# KiCad board Batch 1.kicad_pcb (continued)
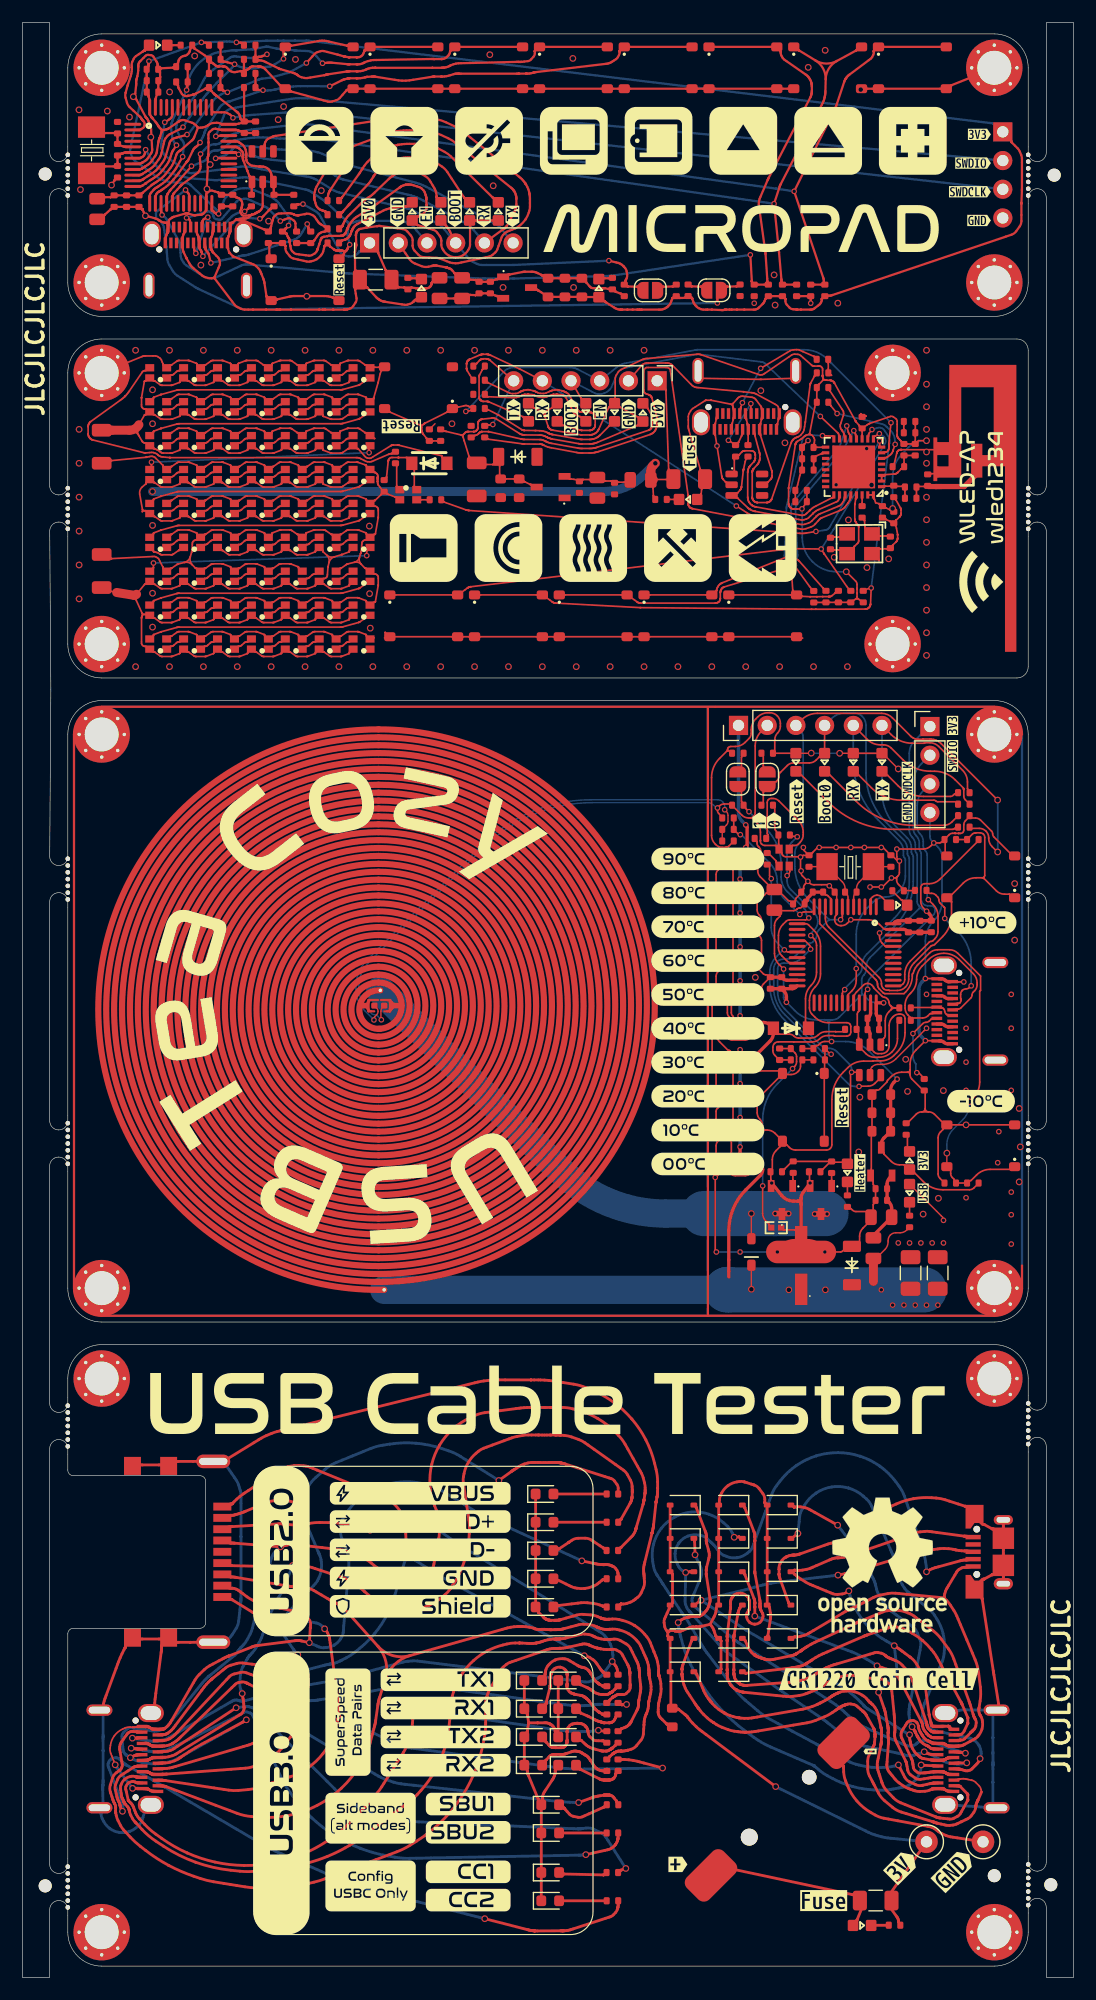
[diagram p0: board, top side]
## Routing (per net, layer and track width the routed paths; a pad name or vN(x,y) marks a point on that pad's centre or on a via; arc(x,y) is an arc through that point) (continued)
27.41,139.83 27.42,139.81 arc(27.42,139.8) 27.43,139.79 27.43,139.74 arc(27.43,139.7) 27.45,139.68 27.59,139.58 arc(27.75,139.52) 27.91,139.58 28.05,139.68 arc(28.08,139.69) 28.11,139.7 28.16,139.7 arc(28.16,139.7) 28.17,139.7 28.18,139.71 arc(28.18,139.71) 28.19,139.71 arc(28.19,139.71) 28.2,139.72 28.64,140.03 28.68,140.06 arc(28.71,140.07) 28.73,140.08 28.78,140.09 arc(28.8,140.1) 28.83,140.1 29.66,140.1 arc(29.68,140.1) 29.69,140.1 29.72,140.09 arc(29.74,140.09) 29.75,140.08 30.37,139.85 arc(30.38,139.85) 30.39,139.84 arc(30.4,139.84) 30.41,139.83 30.42,139.81 arc(30.42,139.8) 30.43,139.79 30.43,139.74 arc(30.43,139.7) 30.45,139.68 30.59,139.58 arc(30.75,139.52) 30.91,139.58 31.05,139.68 arc(31.07,139.7) 31.08,139.74 31.08,139.78 arc(31.08,139.78) 31.08,139.78 31.08,139.79 arc(31.08,139.79) 31.08,139.79 arc(31.08,139.8) 31.08,139.8 31.46,141.13 arc(31.46,141.14) 31.46,141.14 arc(31.47,141.15) 31.47,141.16 31.64,141.89 arc(31.73,142.13) 31.87,142.34 31.9,142.38 ; 30.91,130.58 arc(30.85,130.45) 30.91,130.33 ; 30.91,130.58 arc(30.75,130.52) 30.59,130.58 ; v2(69.1,100) 69.1,99.9 arc(69.12,99.8) 69.17,99.72 69.34,99.56 ; 75.49,69.48 75.49,69.09 ; 61.47,80.28 arc(61.5,80.29) 61.53,80.3 61.69,80.3 arc(61.72,80.31) 61.75,80.32 RGB69.3 ; 61.47,80.28 arc(61.44,80.27) 61.42,80.28 ; ESD2.2 62.23,132.33 arc(62.23,132.33) 62.23,132.33 arc(62.23,132.33) 62.23,132.33 62.22,132.33 arc(62.22,132.34) 62.22,132.34 62.01,132.57 arc(62,132.57) 62,132.58 arc(62,132.58) 61.99,132.59 61.98,132.6 arc(61.98,132.6) 61.98,132.61 61.93,132.68 arc(61.92,132.69) 61.92,132.7 61.9,132.73 arc(61.9,132.75) 61.9,132.76 61.89,132.81 arc(61.89,132.81) 61.89,132.81 61.88,132.83 arc(61.88,132.84) 61.88,132.84 arc(61.88,132.85) 61.88,132.86 v2(61.46,135.53) 61.3,136.47 arc(61.3,136.48) 61.3,136.49 arc(61.3,136.49) 61.3,136.5 61.3,136.51 arc(61.3,136.51) 61.3,136.52 61.3,136.56 arc(61.3,136.6) 61.29,136.64 61.26,136.8 arc(61.24,137) 61.26,137.2 61.29,137.36 arc(61.3,137.4) 61.3,137.44 61.3,137.48 arc(61.3,137.49) 61.3,137.5 61.3,137.52 arc(61.3,137.52) 61.31,137.53 arc(61.31,137.54) 61.31,137.55 61.4,137.9 arc(61.4,137.91) 61.4,137.91 arc(61.4,137.91) 61.4,137.91 61.4,137.92 arc(61.4,137.92) 61.4,137.92 61.4,137.96 arc(61.4,138) 61.41,138.04 J4.B1 ; C48.2 77.31,130.74 arc(77.31,130.73) 77.31,130.73 arc(77.31,130.73) 77.31,130.73 77.31,130.73 arc(77.31,130.73) 77.32,130.72 77.7,130.05 arc(77.71,130.03) 77.71,130.02 77.72,130 arc(77.72,129.99) 77.73,129.97 77.74,129.9 arc(77.74,129.89) 77.74,129.88 77.74,129.87 arc(77.75,129.86) 77.75,129.85 77.75,129.57 arc(77.75,129.56) 77.74,129.55 77.74,129.54 arc(77.74,129.53) 77.74,129.52 77.73,129.44 arc(77.72,129.43) 77.72,129.41 77.7,129.38 arc(77.7,129.37) 77.69,129.36 77.66,129.31 arc(77.65,129.3) 77.65,129.29 arc(77.64,129.28) 77.64,129.28 77.62,129.26 arc(77.62,129.26) 77.61,129.25 77.32,128.98 arc(77.32,128.97) 77.32,128.97 77.32,128.97 arc(77.32,128.97) 77.32,128.97 arc(77.32,128.97) 77.32,128.97 arc(77.31,128.96) 77.31,128.96 77.31,128.96 arc(77.31,128.96) 77.31,128.96 77.31,128.96 arc(77.31,128.96) 77.31,128.96 77.21,128.82 ; 7,118 6.49,119.86 arc(6.49,119.86) 6.49,119.87 6.49,119.87 ; 67.64,73.66 67.65,73.66 arc(67.65,73.66) 67.65,73.66 67.87,73.44 arc(68.11,73.28) 68.4,73.22 71.15,73.22 arc(71.33,73.26) 71.49,73.36 arc(71.59,73.52) 71.63,73.7 71.63,77.7 arc(71.88,79) 72.62,80.1 73.03,80.51 arc(73.67,80.94) 74.43,81.09 75.24,81.09 arc(75.25,81.09) 75.26,81.1 arc(75.27,81.11) 75.28,81.11 75.95,81.11 arc(76.58,81.24) 77.11,81.59 77.37,81.85 arc(77.91,82.66) 78.1,83.62 78.1,84.84 arc(78.07,85) 77.98,85.13 arc(77.85,85.22) 77.69,85.25 77.57,85.25 arc(77.3,85.2) 77.07,85.04 76.98,84.96 arc(76.77,84.63) 76.69,84.25 76.69,82.42 arc(76.64,82.17) 76.49,81.95 arc(76.28,81.8) 76.02,81.75 75.7,81.75 arc(75.52,81.79) 75.37,81.89 75.23,82.03 ; 14.84,125.72 arc(14.83,125.35) 15.01,125.02 ; 14.84,125.72 arc(14.65,125.4) 14.32,125.22 ; 78.71,96.18 78.26,96.18 ; 61.44,92.8 61.41,92.77 arc(61.38,92.73) 61.37,92.69 61.37,90.16 arc(61.4,90.02) 61.48,89.91 61.56,89.82 arc(61.59,89.81) 61.62,89.8 61.69,89.8 arc(61.72,89.79) 61.75,89.78 61.89,89.68 arc(61.95,89.55) 61.89,89.43 61.75,89.32 arc(61.73,89.3) 61.72,89.26 61.72,89.21 arc(61.72,89.2) 61.71,89.18 61.55,89.02 arc(61.42,88.83) 61.37,88.6 61.37,86.79 arc(61.38,86.75) 61.41,86.71 ; 61.44,92.8 arc(61.44,92.8) 61.45,92.8 ; 74.58,67.78 73.75,67.78 arc(73.59,67.81) 73.45,67.9 73.32,68.03 arc(73.32,68.03) 73.32,68.03 73.32,68.03 ; 65.92,88.27 65.58,87.94 arc(65.44,87.72) 65.39,87.47 65.39,87.43 arc(65.35,87.22) 65.22,87.03 65.11,86.92 arc(65.07,86.86) 65.06,86.8 65.06,86.74 ; 61.53,76.96 61.49,76.91 arc(61.4,76.79) 61.37,76.64 61.37,75.16 arc(61.4,75.02) 61.48,74.91 61.56,74.82 arc(61.59,74.81) 61.62,74.8 61.69,74.8 arc(61.72,74.79) 61.75,74.78 61.89,74.68 arc(61.95,74.55) 61.89,74.43 61.75,74.32 arc(61.73,74.3) 61.72,74.26 61.72,74.21 arc(61.72,74.2) 61.71,74.18 61.55,74.02 arc(61.42,73.83) 61.37,73.6 61.37,72.16 arc(61.4,72.02) 61.48,71.91 61.56,71.82 arc(61.59,71.81) 61.62,71.8 61.69,71.8 arc(61.72,71.79) 61.75,71.78 61.89,71.68 ; 61.53,76.96 arc(61.56,77.02) 61.53,77.08 ; 67.05,99.72 66.85,99.98 ; 67.05,99.72 arc(66.97,99.86) 66.93,100.01 ; 61.89,71.68 62.21,71.43 ; 68.7,95.75 68.46,95.51 arc(68.42,95.45) 68.4,95.38 68.4,95.3 arc(68.4,95.3) 68.4,95.3 68.4,95.3 ; 66.85,99.98 66.72,100.15 arc(66.7,100.17) 66.66,100.18 65.7,100.18 arc(65.55,100.21) 65.42,100.29 65.38,100.33 arc(65.32,100.42) 65.3,100.52 65.3,100.62 65.3,101.36 arc(65.2,101.84) 64.93,102.25 64.7,102.48 ; 66.85,99.98 arc(66.91,99.96) 66.93,100.01 ; 81.34,70.56 81.18,70.72 arc(81.07,70.9) 81.02,71.11 81.02,74.3 arc(81.08,74.59) 81.24,74.83 81.46,75.05 arc(81.46,75.05) 81.46,75.05 81.46,75.06 ; 64.38,102.62 64.23,102.62 arc(63.93,102.68) 63.67,102.85 63.04,103.48 ; 64.38,102.62 arc(64.55,102.65) 64.7,102.75 ; 64.38,102.62 arc(64.55,102.58) 64.7,102.48 ; 29.81,125.65 arc(29.8,125.35) 29.95,125.08 ; C30.2 7.87,125.56 arc(7.87,125.56) 7.87,125.56 arc(7.87,125.56) 7.87,125.56 7.87,125.56 arc(7.88,125.56) 7.88,125.56 11.47,125.74 11.64,125.75 arc(11.72,125.75) 11.8,125.72 11.94,125.63 arc(12.01,125.58) 12.06,125.51 12.13,125.36 12.41,124.81 arc(12.42,124.81) 12.42,124.81 arc(12.42,124.8) 12.42,124.8 12.42,124.79 arc(12.42,124.78) 12.43,124.78 12.43,124.74 arc(12.43,124.7) 12.45,124.68 12.59,124.58 arc(12.75,124.52) 12.91,124.58 13.05,124.68 arc(13.08,124.69) 13.11,124.7 13.16,124.7 arc(13.16,124.7) 13.17,124.7 13.18,124.71 arc(13.18,124.71) 13.19,124.71 arc(13.19,124.71) 13.2,124.72 13.65,125.03 arc(13.66,125.04) 13.68,125.05 arc(13.69,125.06) 13.7,125.07 13.73,125.08 arc(13.74,125.08) 13.76,125.09 14.32,125.22 ; 65.12,95.65 65.31,95.65 arc(65.5,95.69) 65.65,95.79 65.83,95.97 arc(65.83,95.97) 65.84,95.97 65.84,95.97 ; 69.64,70.98 69.64,70.53 arc(69.65,70.5) 69.65,70.46 69.68,70.17 arc(69.69,70.16) 69.7,70.17 ; 67.94,95.26 67.88,95.26 arc(67.81,95.27) 67.76,95.31 67.19,95.88 ; 65.12,80.33 65.17,80.28 arc(65.23,80.24) 65.29,80.23 66.85,80.23 ; RGB73.3 61.75,92.78 arc(61.72,92.79) 61.69,92.8 61.45,92.8 arc(61.45,92.8) 61.45,92.8 ; RGB24.3 24.45,124.68 arc(24.43,124.7) 24.43,124.74 24.43,124.79 arc(24.42,124.8) 24.42,124.81 24.41,124.83 arc(24.4,124.84) 24.39,124.84 arc(24.38,124.85) 24.37,124.85 23.75,125.08 arc(23.74,125.09) 23.72,125.09 23.69,125.1 arc(23.68,125.1) 23.66,125.1 22.83,125.1 arc(22.8,125.1) 22.78,125.09 22.73,125.08 arc(22.71,125.07) 22.68,125.06 22.64,125.03 22.2,124.72 arc(22.19,124.71) 22.19,124.71 arc(22.18,124.71) 22.18,124.71 22.17,124.7 arc(22.16,124.7) 22.16,124.7 22.11,124.7 arc(22.08,124.69) 22.05,124.68 21.91,124.58 arc(21.75,124.52) 21.59,124.58 21.45,124.68 arc(21.43,124.7) 21.43,124.74 21.43,124.79 arc(21.42,124.8) 21.42,124.81 21.41,124.83 arc(21.4,124.84) 21.39,124.84 arc(21.38,124.85) 21.37,124.85 20.75,125.08 arc(20.74,125.09) 20.72,125.09 20.69,125.1 arc(20.68,125.1) 20.66,125.1 19.83,125.1 arc(19.8,125.1) 19.78,125.09 19.73,125.08 arc(19.71,125.07) 19.68,125.06 19.64,125.03 19.2,124.72 arc(19.19,124.71) 19.19,124.71 arc(19.18,124.71) 19.18,124.71 19.17,124.7 arc(19.16,124.7) 19.16,124.7 19.11,124.7 arc(19.08,124.69) 19.05,124.68 18.91,124.58 arc(18.75,124.52) 18.59,124.58 18.45,124.68 arc(18.43,124.7) 18.43,124.74 18.43,124.79 arc(18.42,124.8) 18.42,124.81 18.41,124.83 arc(18.4,124.84) 18.39,124.84 arc(18.38,124.85) 18.37,124.85 17.75,125.08 arc(17.74,125.09) 17.72,125.09 17.69,125.1 arc(17.68,125.1) 17.66,125.1 16.82,125.1 arc(16.8,125.1) 16.78,125.09 16.73,125.08 arc(16.71,125.07) 16.68,125.06 16.64,125.03 16.2,124.72 arc(16.19,124.71) 16.19,124.71 arc(16.18,124.71) 16.18,124.71 16.17,124.7 arc(16.16,124.7) 16.16,124.7 16.11,124.7 arc(16.08,124.69) 16.05,124.68 15.91,124.58 arc(15.75,124.52) 15.59,124.58 15.45,124.68 arc(15.42,124.69) 15.39,124.7 15.34,124.7 arc(15.33,124.7) 15.33,124.7 15.31,124.71 arc(15.31,124.71) 15.3,124.72 15.01,125.02 ; 77.99,137.58 arc(78.01,137.69) 78.07,137.79 arc(77.99,137.75) 77.91,137.79 arc(77.97,137.69) 77.99,137.58 ; J4.A1 66.79,137.36 arc(66.8,137.4) 66.8,137.44 66.8,137.48 arc(66.8,137.48) 66.8,137.48 66.8,137.49 arc(66.8,137.49) 66.8,137.49 arc(66.8,137.49) 66.8,137.49 66.89,137.85 arc(66.89,137.86) 66.89,137.87 arc(66.9,137.87) 66.9,137.88 66.9,137.9 arc(66.9,137.91) 66.9,137.92 66.9,137.96 arc(66.9,138) 66.91,138.04 66.94,138.2 ; 74.69,66.63 74.37,66.31 arc(74.15,65.98) 74.08,65.61 74.08,65.19 ; 32.15,131.39 arc(32,131.49) 31.87,131.61 ; C47.2 77.08,133.86 arc(77.15,134.02) 77.2,134.19 77.37,134.89 arc(77.37,134.9) 77.37,134.9 arc(77.37,134.91) 77.37,134.91 77.37,134.92 arc(77.38,134.92) 77.38,134.92 77.38,134.93 arc(77.38,134.94) 77.38,134.94 77.39,134.95 arc(77.39,134.96) 77.39,134.97 arc(77.39,134.97) 77.39,134.98 77.4,134.99 arc(77.41,135.01) 77.41,135.03 77.44,135.06 arc(77.45,135.07) 77.46,135.09 77.46,135.09 arc(77.47,135.1) 77.48,135.11 arc(77.49,135.12) 77.5,135.13 77.52,135.14 arc(77.54,135.16) 77.57,135.18 77.64,135.2 arc(77.67,135.21) 77.7,135.21 77.73,135.2 arc(77.74,135.2) 77.74,135.2 arc(77.74,135.2) 77.74,135.2 arc(77.74,135.2) 77.74,135.2 77.76,135.2 arc(77.77,135.2) 77.77,135.2 arc(77.77,135.2) 77.78,135.2 77.78,135.2 arc(77.78,135.2) 77.79,135.2 arc(77.79,135.2) 77.79,135.2 80.62,135.2 ; R79.1 67.31,66.18 arc(67.34,66.16) 67.38,66.16 68.39,66.16 arc(68.42,66.15) 68.44,66.12 68.66,65.63 arc(68.8,65.56) 68.9,65.68 ; C50.2 76.41,129.03 arc(76.42,129.03) 76.42,129.03 arc(76.42,129.03) 76.42,129.03 76.42,129.03 arc(76.42,129.03) 76.42,129.03 76.78,128.85 arc(76.78,128.85) 76.78,128.85 76.78,128.85 arc(76.78,128.85) 76.79,128.85 76.95,128.77 ; C43.2 71.71,127.46 arc(71.75,127.47) 71.78,127.47 72.31,127.47 arc(72.35,127.47) 72.38,127.49 72.97,127.75 ; 65.1,89.28 65.56,88.81 arc(65.66,88.75) 65.77,88.73 65.88,88.73 ; 32.34,118.79 32.09,119.01 arc(32.09,119.01) 32.09,119.01 arc(32.09,119.02) 32.09,119.02 32.09,119.02 arc(32.09,119.02) 32.08,119.03 ; 66.73,101.42 66.65,101.49 arc(66.59,101.58) 66.57,101.69 66.57,103.42 ; 78.32,80.11 arc(78.48,80.18) 78.55,80.34 ; 78.32,80.11 arc(78.48,80.04) 78.55,79.88 ; 80.17,76.6 80.19,76.6 arc(80.47,76.54) 80.71,76.38 81.34,75.76 ; 80.17,76.6 79.59,76.6 ; 80.17,76.6 arc(79.97,76.69) 79.88,76.89 ; 62.52,103.85 62.1,103.85 arc(61.87,103.8) 61.67,103.68 v2(61.5,103.5) 61.5,103.27 arc(61.53,103.13) 61.61,103.01 61.71,102.91 ; 77.21,128.82 arc(77.09,128.75) 76.95,128.77 ; 77.21,128.82 arc(77.16,128.69) 77.21,128.56 ; 61.42,80.28 61.23,80.46 arc(61.08,80.69) 61.02,80.97 61.02,85.96 arc(61.08,86.23) 61.23,86.46 61.41,86.64 ; 79.59,76.6 arc(79.32,76.55) 79.09,76.39 78.5,75.8 ; 79.59,76.6 arc(79.79,76.69) 79.88,76.89 ; 64.7,102.48 arc(64.64,102.62) 64.7,102.75 ; 75.32,141.04 75.32,141.04 arc(75.33,141.04) 75.33,141.04 77,142 ; 69.72,81.2 69.28,81.2 ; 65.01,95.22 65.01,94.47 arc(65.06,94.22) 65.2,94.01 arc(65.35,93.79) 65.4,93.54 65.4,93.45 arc(65.35,93.23) 65.23,93.04 65.11,92.93 arc(65.07,92.87) 65.06,92.81 65.06,92.74 ; 72.05,94.44 72.05,94.09 arc(72.04,94.06) 72.02,94.03 71.96,93.97 arc(71.9,93.87) 71.87,93.75 71.87,93.61 arc(71.91,93.41) 72.03,93.24 arc(72.2,93.12) 72.4,93.08 72.48,93.08 arc(72.76,93.14) 73,93.3 v2(73.3,93.6) 74.82,93.6 arc(75.37,93.49) 75.85,93.17 76.21,92.81 arc(76.28,92.76) 76.35,92.75 76.74,92.75 ; v2(69.51,136.01) 69.19,135.7 arc(69.19,135.7) 69.19,135.7 69.19,135.7 arc(69.19,135.7) 69.19,135.7 arc(69.19,135.7) 69.19,135.69 69.05,135.5 arc(69,135.39) 68.98,135.28 68.98,135.19 arc(68.98,135.15) 68.98,135.12 68.98,134.68 arc(68.99,134.65) 68.99,134.61 68.99,134.52 arc(68.99,134.4) 68.99,134.28 68.99,133.52 arc(68.98,133.4) 68.93,133.29 68.91,133.24 arc(68.84,133.08) 68.79,132.91 68.59,132.09 arc(68.54,131.92) 68.47,131.76 68.45,131.71 arc(68.4,131.6) 68.39,131.48 C44.2 ; C29.2 7.77,134.23 arc(7.8,134.23) 7.84,134.24 7.87,134.24 arc(7.88,134.24) 7.88,134.24 arc(7.88,134.24) 7.89,134.24 10.91,134.53 arc(10.92,134.53) 10.93,134.53 arc(10.93,134.53) 10.94,134.53 10.96,134.54 arc(10.97,134.54) 10.98,134.54 arc(10.98,134.54) 10.99,134.54 11.37,134.62 arc(11.43,134.62) 11.49,134.61 11.62,134.57 arc(11.68,134.55) 11.73,134.51 12.4,133.83 12.41,133.82 arc(12.41,133.82) 12.42,133.81 12.42,133.8 arc(12.42,133.79) 12.43,133.78 12.43,133.74 arc(12.43,133.7) 12.45,133.68 12.59,133.58 arc(12.75,133.52) 12.91,133.58 13.05,133.68 arc(13.08,133.69) 13.11,133.7 13.16,133.7 arc(13.16,133.7) 13.17,133.7 13.18,133.71 arc(13.18,133.71) 13.19,133.71 arc(13.19,133.71) 13.2,133.72 13.64,134.03 13.68,134.06 arc(13.71,134.07) 13.73,134.08 13.78,134.09 arc(13.8,134.1) 13.82,134.1 14.66,134.1 arc(14.68,134.1) 14.69,134.1 14.72,134.09 arc(14.74,134.09) 14.75,134.08 15.37,133.85 arc(15.38,133.85) 15.39,133.84 arc(15.4,133.84) 15.41,133.83 15.42,133.81 arc(15.42,133.8) 15.43,133.79 15.43,133.74 arc(15.43,133.7) 15.45,133.68 15.59,133.58 arc(15.75,133.52) 15.91,133.58 16.05,133.68 arc(16.08,133.69) 16.11,133.7 16.16,133.7 arc(16.16,133.7) 16.17,133.7 16.18,133.71 arc(16.18,133.71) 16.19,133.71 arc(16.19,133.71) 16.2,133.72 16.64,134.03 16.68,134.06 arc(16.71,134.07) 16.73,134.08 16.78,134.09 arc(16.8,134.1) 16.82,134.1 17.66,134.1 arc(17.68,134.1) 17.69,134.1 17.72,134.09 arc(17.74,134.09) 17.75,134.08 18.37,133.85 arc(18.38,133.85) 18.39,133.84 arc(18.4,133.84) 18.41,133.83 18.42,133.81 arc(18.42,133.8) 18.43,133.79 18.43,133.74 arc(18.43,133.7) 18.45,133.68 18.59,133.58 arc(18.75,133.52) 18.91,133.58 19.05,133.68 arc(19.08,133.69) 19.11,133.7 19.16,133.7 arc(19.16,133.7) 19.17,133.7 19.18,133.71 arc(19.18,133.71) 19.19,133.71 arc(19.19,133.71) 19.2,133.72 19.64,134.03 19.68,134.06 arc(19.71,134.07) 19.73,134.08 19.78,134.09 arc(19.8,134.1) 19.83,134.1 20.66,134.1 arc(20.68,134.1) 20.69,134.1 20.72,134.09 arc(20.74,134.09) 20.75,134.08 21.37,133.85 arc(21.38,133.85) 21.39,133.84 arc(21.4,133.84) 21.41,133.83 21.42,133.81 arc(21.42,133.8) 21.43,133.79 21.43,133.74 arc(21.43,133.7) 21.45,133.68 21.59,133.58 arc(21.75,133.52) 21.91,133.58 22.05,133.68 arc(22.08,133.69) 22.11,133.7 22.16,133.7 arc(22.16,133.7) 22.17,133.7 22.18,133.71 arc(22.18,133.71) 22.19,133.71 arc(22.19,133.71) 22.2,133.72 22.64,134.03 22.68,134.06 arc(22.71,134.07) 22.73,134.08 22.78,134.09 arc(22.8,134.1) 22.83,134.1 23.66,134.1 arc(23.68,134.1) 23.69,134.1 23.72,134.09 arc(23.74,134.09) 23.75,134.08 24.37,133.85 arc(24.38,133.85) 24.39,133.84 arc(24.4,133.84) 24.41,133.83 24.42,133.81 arc(24.42,133.8) 24.43,133.79 24.43,133.74 arc(24.43,133.7) 24.45,133.68 24.59,133.58 arc(24.75,133.52) 24.91,133.58 25.05,133.68 arc(25.08,133.69) 25.11,133.7 25.16,133.7 arc(25.16,133.7) 25.17,133.7 25.18,133.71 arc(25.18,133.71) 25.19,133.71 arc(25.19,133.71) 25.2,133.72 25.64,134.03 25.68,134.06 arc(25.71,134.07) 25.73,134.08 25.78,134.09 arc(25.8,134.1) 25.83,134.1 26.66,134.1 arc(26.68,134.1) 26.69,134.1 26.72,134.09 arc(26.74,134.09) 26.75,134.08 27.37,133.85 arc(27.38,133.85) 27.39,133.84 arc(27.4,133.84) 27.41,133.83 27.42,133.81 arc(27.42,133.8) 27.43,133.79 27.43,133.74 arc(27.43,133.7) 27.45,133.68 27.59,133.58 arc(27.75,133.52) 27.91,133.58 28.05,133.68 arc(28.08,133.69) 28.11,133.7 28.16,133.7 arc(28.16,133.7) 28.17,133.7 28.18,133.71 arc(28.18,133.71) 28.19,133.71 arc(28.19,133.71) 28.2,133.72 28.64,134.03 28.68,134.06 arc(28.71,134.07) 28.73,134.08 28.78,134.09 arc(28.8,134.1) 28.83,134.1 29.59,134.1 arc(29.6,134.1) 29.62,134.1 29.64,134.09 arc(29.66,134.09) 29.67,134.09 30.27,133.88 arc(30.3,133.87) 30.33,133.86 30.34,133.85 arc(30.35,133.85) 30.36,133.85 30.38,133.84 arc(30.39,133.84) 30.4,133.83 30.42,133.81 arc(30.42,133.8) 30.43,133.79 30.43,133.74 arc(30.43,133.7) 30.45,133.68 31.05,133.22 arc(31.08,133.21) 31.11,133.2 31.14,133.2 arc(31.15,133.2) 31.16,133.2 arc(31.16,133.2) 31.17,133.2 31.18,133.2 arc(31.18,133.19) 31.19,133.19 31.34,133.09 arc(31.37,133.06) 31.39,133.03 31.43,132.95 arc(31.44,132.91) 31.44,132.87 31.43,132.81 arc(31.43,132.8) 31.43,132.79 31.43,132.79 arc(31.42,132.78) 31.42,132.78 31.42,132.78 arc(31.42,132.78) 31.42,132.77 arc(31.42,132.77) 31.42,132.76 31.42,132.75 arc(31.42,132.75) 31.42,132.74 31.42,132.74 arc(31.42,132.74) 31.42,132.73 31.42,132.73 arc(31.42,132.73) 31.42,132.73 arc(31.42,132.73) 31.42,132.73 31.42,132.72 arc(31.42,132.72) 31.42,132.72 31.42,132.66 arc(31.42,132.66) 31.42,132.66 arc(31.42,132.66) 31.41,132.65 31.41,132.65 arc(31.41,132.64) 31.41,132.64 31.42,132.62 arc(31.42,132.61) 31.42,132.61 arc(31.42,132.6) 31.42,132.6 31.41,132.58 arc(31.41,132.58) 31.41,132.57 arc(31.41,132.57) 31.41,132.57 31.41,132.45 arc(31.41,132.45) 31.41,132.45 arc(31.41,132.44) 31.41,132.44 31.42,132.42 arc(31.42,132.42) 31.42,132.41 arc(31.42,132.41) 31.42,132.4 31.41,132.38 arc(31.41,132.38) 31.41,132.38 arc(31.41,132.37) 31.41,132.37 31.42,132.36 arc(31.42,132.36) 31.42,132.36 arc(31.42,132.36) 31.42,132.35 31.43,132.22 arc(31.43,132.2) 31.44,132.17 31.45,132.13 arc(31.46,132.11) 31.47,132.09 31.63,131.88 arc(31.75,131.74) 31.87,131.61 ; 64.5,71.28 64.34,71.12 arc(64.16,70.99) 63.94,70.95 63.08,70.95 arc(62.85,71) 62.66,71.13 62.49,71.29 arc(62.48,71.3) 62.47,71.3 62.41,71.3 arc(62.38,71.31) 62.35,71.32 62.21,71.43 ; R43.2 71.3,142.99 arc(71.3,142.95) 71.31,142.92 71.31,142.28 arc(71.31,142.25) 71.31,142.21 71.31,142.12 arc(71.33,142.01) 71.41,141.92 71.57,141.79 arc(71.58,141.79) 71.58,141.79 arc(71.58,141.79) 71.58,141.79 71.58,141.79 ; 65.01,77.22 65.01,76.53 arc(65.07,76.22) 65.25,75.96 arc(65.42,75.7) 65.48,75.39 65.48,75.2 ; RGB65.3 61.75,98.32 arc(61.73,98.3) 61.72,98.26 61.72,98.21 arc(61.72,98.2) 61.71,98.18 61.55,98.02 arc(61.42,97.83) 61.37,97.6 61.37,95.79 arc(61.38,95.75) 61.41,95.71 ; 76.95,128.77 arc(77.09,128.68) 77.21,128.56 ; RGB1.3 13.05,130.68 arc(13.08,130.69) 13.11,130.7 13.16,130.7 arc(13.16,130.7) 13.17,130.7 13.18,130.71 arc(13.18,130.71) 13.19,130.71 arc(13.19,130.71) 13.2,130.72 13.64,131.03 13.68,131.06 arc(13.71,131.07) 13.73,131.08 13.78,131.09 arc(13.8,131.1) 13.82,131.1 14.66,131.1 arc(14.68,131.1) 14.69,131.1 14.72,131.09 arc(14.74,131.09) 14.75,131.08 15.37,130.85 arc(15.38,130.85) 15.39,130.84 arc(15.4,130.84) 15.41,130.83 15.42,130.81 arc(15.42,130.8) 15.43,130.79 15.43,130.74 arc(15.43,130.7) 15.45,130.68 15.59,130.58 arc(15.75,130.52) 15.91,130.58 16.05,130.68 arc(16.08,130.69) 16.11,130.7 16.16,130.7 arc(16.16,130.7) 16.17,130.7 16.18,130.71 arc(16.18,130.71) 16.19,130.71 arc(16.19,130.71) 16.2,130.72 16.64,131.03 16.68,131.06 arc(16.71,131.07) 16.73,131.08 16.78,131.09 arc(16.8,131.1) 16.82,131.1 17.66,131.1 arc(17.68,131.1) 17.69,131.1 17.72,131.09 arc(17.74,131.09) 17.75,131.08 18.37,130.85 arc(18.38,130.85) 18.39,130.84 arc(18.4,130.84) 18.41,130.83 18.42,130.81 arc(18.42,130.8) 18.43,130.79 18.43,130.74 arc(18.43,130.7) 18.45,130.68 18.59,130.58 arc(18.75,130.52) 18.91,130.58 19.05,130.68 arc(19.08,130.69) 19.11,130.7 19.16,130.7 arc(19.16,130.7) 19.17,130.7 19.18,130.71 arc(19.18,130.71) 19.19,130.71 arc(19.19,130.71) 19.2,130.72 19.64,131.03 19.68,131.06 arc(19.71,131.07) 19.73,131.08 19.78,131.09 arc(19.8,131.1) 19.83,131.1 20.66,131.1 arc(20.68,131.1) 20.69,131.1 20.72,131.09 arc(20.74,131.09) 20.75,131.08 21.37,130.85 arc(21.38,130.85) 21.39,130.84 arc(21.4,130.84) 21.41,130.83 21.42,130.81 arc(21.42,130.8) 21.43,130.79 21.43,130.74 arc(21.43,130.7) 21.45,130.68 21.59,130.58 arc(21.75,130.52) 21.91,130.58 22.05,130.68 arc(22.08,130.69) 22.11,130.7 22.16,130.7 arc(22.16,130.7) 22.17,130.7 22.18,130.71 arc(22.18,130.71) 22.19,130.71 arc(22.19,130.71) 22.2,130.72 22.64,131.03 22.68,131.06 arc(22.71,131.07) 22.73,131.08 22.78,131.09 arc(22.8,131.1) 22.83,131.1 23.66,131.1 arc(23.68,131.1) 23.69,131.1 23.72,131.09 arc(23.74,131.09) 23.75,131.08 24.37,130.85 arc(24.38,130.85) 24.39,130.84 arc(24.4,130.84) 24.41,130.83 24.42,130.81 arc(24.42,130.8) 24.43,130.79 24.43,130.74 arc(24.43,130.7) 24.45,130.68 24.59,130.58 arc(24.75,130.52) 24.91,130.58 25.05,130.68 arc(25.08,130.69) 25.11,130.7 25.16,130.7 arc(25.16,130.7) 25.17,130.7 25.18,130.71 arc(25.18,130.71) 25.19,130.71 arc(25.19,130.71) 25.2,130.72 25.64,131.03 25.68,131.06 arc(25.71,131.07) 25.73,131.08 25.78,131.09 arc(25.8,131.1) 25.83,131.1 26.66,131.1 arc(26.68,131.1) 26.69,131.1 26.72,131.09 arc(26.74,131.09) 26.75,131.08 27.37,130.85 arc(27.38,130.85) 27.39,130.84 arc(27.4,130.84) 27.41,130.83 27.42,130.81 arc(27.42,130.8) 27.43,130.79 27.43,130.74 arc(27.43,130.7) 27.45,130.68 27.59,130.58 arc(27.75,130.52) 27.91,130.58 28.05,130.68 arc(28.08,130.69) 28.11,130.7 28.16,130.7 arc(28.16,130.7) 28.17,130.7 28.18,130.71 arc(28.18,130.71) 28.19,130.71 arc(28.19,130.71) 28.2,130.72 28.64,131.03 28.68,131.06 arc(28.71,131.07) 28.73,131.08 28.78,131.09 arc(28.8,131.1) 28.83,131.1 29.66,131.1 arc(29.68,131.1) 29.69,131.1 29.72,131.09 arc(29.74,131.09) 29.75,131.08 30.37,130.85 arc(30.38,130.85) 30.39,130.84 arc(30.4,130.84) 30.41,130.83 30.42,130.81 arc(30.42,130.8) 30.43,130.79 30.43,130.74 arc(30.43,130.7) 30.45,130.68 30.59,130.58 ; 74.98,118.53 75.02,118.53 arc(75.03,118.52) 75.05,118.52 75.09,118.52 arc(75.1,118.52) 75.12,118.51 75.15,118.5 76.15,118.23 arc(76.64,118.36) 76.77,118.85 76.5,119.85 76.49,119.87 arc(76.49,119.88) 76.49,119.89 76.48,119.91 arc(76.48,119.92) 76.48,119.93 76.48,119.94 ; 65.1,92.28 65.25,92.13 arc(65.36,91.97) 65.4,91.77 65.4,90.45 arc(65.35,90.23) 65.23,90.04 65.11,89.93 arc(65.07,89.87) 65.06,89.81 65.06,89.74 ; 61.41,86.64 arc(61.45,86.66) 61.49,86.67 ; 61.41,86.64 arc(61.42,86.67) 61.41,86.71 ; 81.65,99.65 81.65,100.38 ; 14.32,125.22 arc(14.69,125.22) 15.01,125.02 ; 30.59,130.58 30.91,130.33 ; 75.17,76.04 75.17,75.36 ; 78.55,80.34 78.55,79.88 ; 78.55,80.34 78.55,80.83 arc(78.68,81.49) 79.06,82.06 v2(79.9,82.9) 80.47,82.9 arc(80.51,82.9) 80.55,82.9 80.71,82.89 arc(80.91,82.88) 81.11,82.88 ; 78.55,79.88 arc(78.59,79.67) 78.71,79.5 79.5,78.7 ; 64.5,83.28 64.34,83.12 arc(64.16,82.99) 63.94,82.95 62.79,82.95 arc(62.63,82.98) 62.5,83.07 62.39,83.18 arc(62.38,83.2) 62.37,83.21 62.37,83.26 arc(62.37,83.3) 62.35,83.32 62.21,83.43 arc(62.15,83.55) 62.21,83.68 62.35,83.78 arc(62.38,83.79) 62.41,83.8 62.47,83.8 arc(62.48,83.8) 62.49,83.81 62.5,83.82 arc(62.52,83.85) 62.52,83.87 arc(62.53,83.9) 62.55,83.93 62.59,83.97 arc(62.64,84.05) 62.66,84.13 62.66,84.75 arc(62.63,84.87) 62.57,84.97 62.52,85.02 arc(62.41,85.18) 62.37,85.36 62.37,86.26 arc(62.37,86.3) 62.35,86.32 62.19,86.44 arc(62.04,86.54) 61.89,86.61 61.76,86.66 arc(61.72,86.67) 61.69,86.67 61.49,86.67 ; U4.33 71.77,135.5 ; 75.33,68.45 75.3,68.43 arc(75.28,68.4) 75.28,68.36 75.28,67.98 ; 79.88,76.89 79.88,78.22 ; v2(79.9,88.4) 80.47,88.4 arc(80.51,88.4) 80.55,88.4 80.71,88.39 arc(80.91,88.38) 81.11,88.38 ; RGB30.3 13.05,136.68 arc(13.08,136.69) 13.11,136.7 13.16,136.7 arc(13.16,136.7) 13.17,136.7 13.18,136.71 arc(13.18,136.71) 13.19,136.71 arc(13.19,136.71) 13.2,136.72 13.64,137.03 13.68,137.06 arc(13.71,137.07) 13.73,137.08 13.78,137.09 arc(13.8,137.1) 13.82,137.1 14.66,137.1 arc(14.68,137.1) 14.69,137.1 14.72,137.09 arc(14.74,137.09) 14.75,137.08 15.37,136.85 arc(15.38,136.85) 15.39,136.84 arc(15.4,136.84) 15.41,136.83 15.42,136.81 arc(15.42,136.8) 15.43,136.79 15.43,136.74 arc(15.43,136.7) 15.45,136.68 15.59,136.58 arc(15.75,136.52) 15.91,136.58 16.05,136.68 arc(16.08,136.69) 16.11,136.7 16.16,136.7 arc(16.16,136.7) 16.17,136.7 16.18,136.71 arc(16.18,136.71) 16.19,136.71 arc(16.19,136.71) 16.2,136.72 16.64,137.03 16.68,137.06 arc(16.71,137.07) 16.73,137.08 16.78,137.09 arc(16.8,137.1) 16.82,137.1 17.66,137.1 arc(17.68,137.1) 17.69,137.1 17.72,137.09 arc(17.74,137.09) 17.75,137.08 18.37,136.85 arc(18.38,136.85) 18.39,136.84 arc(18.4,136.84) 18.41,136.83 18.42,136.81 arc(18.42,136.8) 18.43,136.79 18.43,136.74 arc(18.43,136.7) 18.45,136.68 18.59,136.58 arc(18.75,136.52) 18.91,136.58 19.05,136.68 arc(19.08,136.69) 19.11,136.7 19.16,136.7 arc(19.16,136.7) 19.17,136.7 19.18,136.71 arc(19.18,136.71) 19.19,136.71 arc(19.19,136.71) 19.2,136.72 19.64,137.03 19.68,137.06 arc(19.71,137.07) 19.73,137.08 19.78,137.09 arc(19.8,137.1) 19.83,137.1 20.66,137.1 arc(20.68,137.1) 20.69,137.1 20.72,137.09 arc(20.74,137.09) 20.75,137.08 21.37,136.85 arc(21.38,136.85) 21.39,136.84 arc(21.4,136.84) 21.41,136.83 21.42,136.81 arc(21.42,136.8) 21.43,136.79 21.43,136.74 arc(21.43,136.7) 21.45,136.68 21.59,136.58 arc(21.75,136.52) 21.91,136.58 22.05,136.68 arc(22.07,136.7) 22.08,136.74 22.08,136.79 arc(22.08,136.8) 22.08,136.81 22.09,136.83 arc(22.1,136.84) 22.11,136.84 22.13,136.85 22.75,137.08 arc(22.76,137.09) 22.78,137.09 22.81,137.1 arc(22.82,137.1) 22.84,137.1 23.67,137.1 arc(23.7,137.1) 23.72,137.09 23.77,137.08 arc(23.79,137.07) 23.82,137.06 24.3,136.72 arc(24.31,136.71) 24.31,136.71 arc(24.32,136.71) 24.32,136.71 24.33,136.7 arc(24.34,136.7) 24.34,136.7 24.39,136.7 arc(24.42,136.69) 24.45,136.68 24.59,136.58 arc(24.75,136.52) 24.91,136.58 25.05,136.68 arc(25.07,136.7) 25.08,136.74 25.08,136.79 arc(25.08,136.8) 25.08,136.81 25.09,136.83 arc(25.1,136.84) 25.11,136.84 25.13,136.85 25.75,137.08 arc(25.76,137.09) 25.78,137.09 25.81,137.1 arc(25.82,137.1) 25.84,137.1 26.67,137.1 arc(26.7,137.1) 26.72,137.09 26.77,137.08 arc(26.79,137.07) 26.82,137.06 27.3,136.72 arc(27.31,136.71) 27.31,136.71 arc(27.32,136.71) 27.32,136.71 27.33,136.7 arc(27.34,136.7) 27.34,136.7 27.39,136.7 arc(27.42,136.69) 27.45,136.68 27.59,136.58 arc(27.75,136.52) 27.91,136.58 28.05,136.68 arc(28.07,136.7) 28.08,136.74 28.08,136.79 arc(28.08,136.8) 28.08,136.81 28.09,136.83 arc(28.1,136.84) 28.11,136.84 28.13,136.85 28.75,137.08 arc(28.76,137.09) 28.78,137.09 28.81,137.1 arc(28.82,137.1) 28.84,137.1 29.67,137.1 arc(29.7,137.1) 29.72,137.09 29.77,137.08 arc(29.79,137.07) 29.82,137.06 30.3,136.72 arc(30.31,136.71) 30.31,136.71 arc(30.32,136.71) 30.32,136.71 30.33,136.7 arc(30.34,136.7) 30.34,136.7 30.39,136.7 arc(30.42,136.69) 30.45,136.68 31.05,136.22 arc(31.08,136.21) 31.11,136.2 31.15,136.2 arc(31.15,136.2) 31.15,136.2 arc(31.16,136.2) 31.16,136.2 ; 66.89,74.41 66.59,74.7 arc(66.27,74.92) 65.89,74.99 65.69,74.99 ; 7,142 10.55,143.43 10.61,143.46 arc(10.64,143.47) 10.68,143.48 10.75,143.49 arc(10.78,143.5) 10.81,143.5 11.76,143.5 arc(11.87,143.48) 11.96,143.44 12.15,143.31 arc(12.23,143.24) 12.28,143.15 12.42,142.81 arc(12.42,142.8) 12.42,142.8 arc(12.42,142.8) 12.42,142.79 12.42,142.79 arc(12.42,142.78) 12.43,142.78 12.43,142.74 arc(12.43,142.7) 12.45,142.68 12.59,142.58 arc(12.75,142.52) 12.91,142.58 13.05,142.68 arc(13.08,142.69) 13.11,142.7 13.16,142.7 arc(13.16,142.7) 13.17,142.7 13.18,142.71 arc(13.18,142.71) 13.19,142.71 arc(13.19,142.71) 13.2,142.72 13.64,143.03 13.68,143.06 arc(13.71,143.07) 13.73,143.08 13.78,143.09 arc(13.8,143.1) 13.82,143.1 14.66,143.1 arc(14.68,143.1) 14.69,143.1 14.72,143.09 arc(14.74,143.09) 14.75,143.08 15.37,142.85 arc(15.38,142.85) 15.39,142.84 arc(15.4,142.84) 15.41,142.83 15.42,142.81 arc(15.42,142.8) 15.43,142.79 15.43,142.74 arc(15.43,142.7) 15.45,142.68 15.59,142.58 arc(15.75,142.52) 15.91,142.58 16.05,142.68 arc(16.08,142.69) 16.11,142.7 16.16,142.7 arc(16.16,142.7) 16.17,142.7 16.18,142.71 arc(16.18,142.71) 16.19,142.71 arc(16.19,142.71) 16.2,142.72 16.64,143.03 16.68,143.06 arc(16.71,143.07) 16.73,143.08 16.78,143.09 arc(16.8,143.1) 16.82,143.1 17.66,143.1 arc(17.68,143.1) 17.69,143.1 17.72,143.09 arc(17.74,143.09) 17.75,143.08 18.37,142.85 arc(18.38,142.85) 18.39,142.84 arc(18.4,142.84) 18.41,142.83 18.42,142.81 arc(18.42,142.8) 18.43,142.79 18.43,142.74 arc(18.43,142.7) 18.45,142.68 18.59,142.58 arc(18.75,142.52) 18.91,142.58 19.05,142.68 arc(19.07,142.7) 19.08,142.74 19.08,142.79 arc(19.08,142.8) 19.08,142.81 19.09,142.83 arc(19.1,142.84) 19.11,142.84 19.13,142.85 19.75,143.08 arc(19.76,143.09) 19.78,143.09 19.81,143.1 arc(19.82,143.1) 19.84,143.1 20.67,143.1 arc(20.7,143.1) 20.72,143.09 20.77,143.08 arc(20.79,143.07) 20.82,143.06 21.3,142.72 arc(21.31,142.71) 21.31,142.71 arc(21.32,142.71) 21.32,142.71 21.33,142.7 arc(21.34,142.7) 21.34,142.7 21.39,142.7 arc(21.42,142.69) 21.45,142.68 21.59,142.58 arc(21.75,142.52) 21.91,142.58 22.05,142.68 arc(22.07,142.7) 22.08,142.74 22.08,142.79 arc(22.08,142.8) 22.08,142.81 22.09,142.83 arc(22.1,142.84) 22.11,142.84 22.13,142.85 22.75,143.08 arc(22.76,143.09) 22.78,143.09 22.81,143.1 arc(22.82,143.1) 22.84,143.1 23.67,143.1 arc(23.7,143.1) 23.72,143.09 23.77,143.08 arc(23.79,143.07) 23.82,143.06 24.3,142.72 arc(24.31,142.71) 24.31,142.71 arc(24.32,142.71) 24.32,142.71 24.33,142.7 arc(24.34,142.7) 24.34,142.7 24.39,142.7 arc(24.42,142.69) 24.45,142.68 24.59,142.58 arc(24.75,142.52) 24.91,142.58 25.05,142.68 arc(25.07,142.7) 25.08,142.74 25.08,142.79 arc(25.08,142.8) 25.08,142.81 25.09,142.83 arc(25.1,142.84) 25.11,142.84 25.13,142.85 25.75,143.08 arc(25.76,143.09) 25.78,143.09 25.81,143.1 arc(25.82,143.1) 25.84,143.1 26.67,143.1 arc(26.7,143.1) 26.72,143.09 26.77,143.08 arc(26.79,143.07) 26.82,143.06 27.3,142.72 arc(27.31,142.71) 27.31,142.71 arc(27.32,142.71) 27.32,142.71 27.33,142.7 arc(27.34,142.7) 27.34,142.7 27.39,142.7 arc(27.42,142.69) 27.45,142.68 27.59,142.58 arc(27.75,142.52) 27.91,142.58 28.05,142.68 arc(28.07,142.7) 28.08,142.74 28.08,142.79 arc(28.08,142.8) 28.08,142.81 28.09,142.83 arc(28.1,142.84) 28.11,142.84 28.13,142.85 28.75,143.08 arc(28.76,143.09) 28.78,143.09 28.81,143.1 arc(28.82,143.1) 28.84,143.1 29.67,143.1 arc(29.7,143.1) 29.72,143.09 29.77,143.08 arc(29.79,143.07) 29.82,143.06 30.3,142.72 arc(30.31,142.71) 30.31,142.71 arc(30.32,142.71) 30.32,142.71 30.33,142.7 arc(30.34,142.7) 30.34,142.7 30.39,142.7 arc(30.42,142.69) 30.45,142.68 30.62,142.55 arc(30.76,142.48) 30.91,142.47 31.04,142.49 arc(31.08,142.49) 31.11,142.5 31.58,142.5 arc(31.61,142.5) 31.65,142.5 31.83,142.52 ; 81.84,100.96 82.01,101.13 arc(82.15,101.22) 82.31,101.26 82.49,101.26 arc(82.49,101.26) 82.49,101.26 82.52,101.26 arc(82.52,101.25) 82.53,101.25 arc(82.53,101.25) 82.53,101.25 82.55,101.25 arc(82.55,101.25) 82.55,101.25 arc(82.55,101.25) 82.55,101.25 82.84,101.25 arc(82.84,101.25) 82.84,101.25 arc(82.84,101.25) 82.84,101.25 82.87,101.25 arc(82.87,101.25) 82.87,101.25 arc(82.87,101.25) 82.87,101.24 83.01,101.24 arc(83.12,101.27) 83.22,101.33 arc(83.28,101.42) 83.3,101.53 83.3,102.01 arc(83.34,102.2) 83.45,102.37 83.6,102.52 ; 61.49,86.67 arc(61.45,86.68) 61.41,86.71 ; v2(83.3,88.1) 82.75,88.1 arc(82.71,88.1) 82.67,88.1 82.51,88.11 arc(82.31,88.12) 82.11,88.13 ; C51.2 80.31,133.07 arc(80.35,133.08) 80.38,133.08 80.82,133.08 ; 31.83,142.52 arc(32.04,142.53) 32.25,142.54 arc(32.06,142.5) 31.9,142.38 ; 31.83,142.52 arc(31.91,142.47) 31.9,142.38 ; RGB67.3 61.76,95.66 arc(61.72,95.67) 61.69,95.67 61.49,95.67 ; 66.92,100.78 66.92,100.21 arc(66.92,100.18) 66.92,100.14 66.93,100.01 ; 65.48,75.2 arc(65.44,75.01) 65.33,74.85 ; 65.48,75.2 arc(65.54,75.06) 65.69,74.99 ; 65.33,74.85 arc(65.5,74.96) 65.69,74.99 ; 61.49,95.67 arc(61.45,95.66) 61.41,95.64 ; 61.49,95.67 arc(61.45,95.68) 61.41,95.71 ; 75.17,77.65 75.17,77 ; 61.41,95.64 arc(61.42,95.67) 61.41,95.71 ; 77.21,128.56 arc(77.29,128.42) 77.34,128.26 77.44,127.71 arc(77.44,127.7) 77.44,127.7 arc(77.44,127.69) 77.44,127.68 77.44,127.67 arc(77.45,127.66) 77.45,127.65 77.45,127.37 arc(77.45,127.36) 77.44,127.35 77.44,127.34 arc(77.44,127.33) 77.44,127.32 77.43,127.24 arc(77.42,127.23) 77.42,127.21 77.4,127.18 arc(77.4,127.17) 77.39,127.16 77.36,127.11 arc(77.35,127.1) 77.35,127.09 arc(77.34,127.08) 77.34,127.08 77.32,127.06 arc(77.32,127.06) 77.31,127.05 77.02,126.78 arc(77.02,126.77) 77.02,126.77 77.02,126.77 arc(77.02,126.77) 77.02,126.77 arc(77.02,126.77) 77.02,126.77 arc(77.01,126.76) 77.01,126.76 77.01,126.76 arc(77.01,126.76) 77.01,126.76 77.01,126.76 arc(77.01,126.76) 77.01,126.76 76.88,126.59 arc(76.79,126.51) 76.68,126.46 76.59,126.44 arc(76.55,126.43) 76.52,126.43 75.84,126.43 arc(75.8,126.42) 75.77,126.41 75.49,126.21 arc(75.36,125.99) 75.46,125.75 75.77,125.5 arc(75.79,125.47) 75.8,125.44 75.8,125.4 arc(75.8,125.4) 75.8,125.39 arc(75.8,125.39) 75.8,125.38